# KiCad board mono_v2.kicad_pcb (continued)
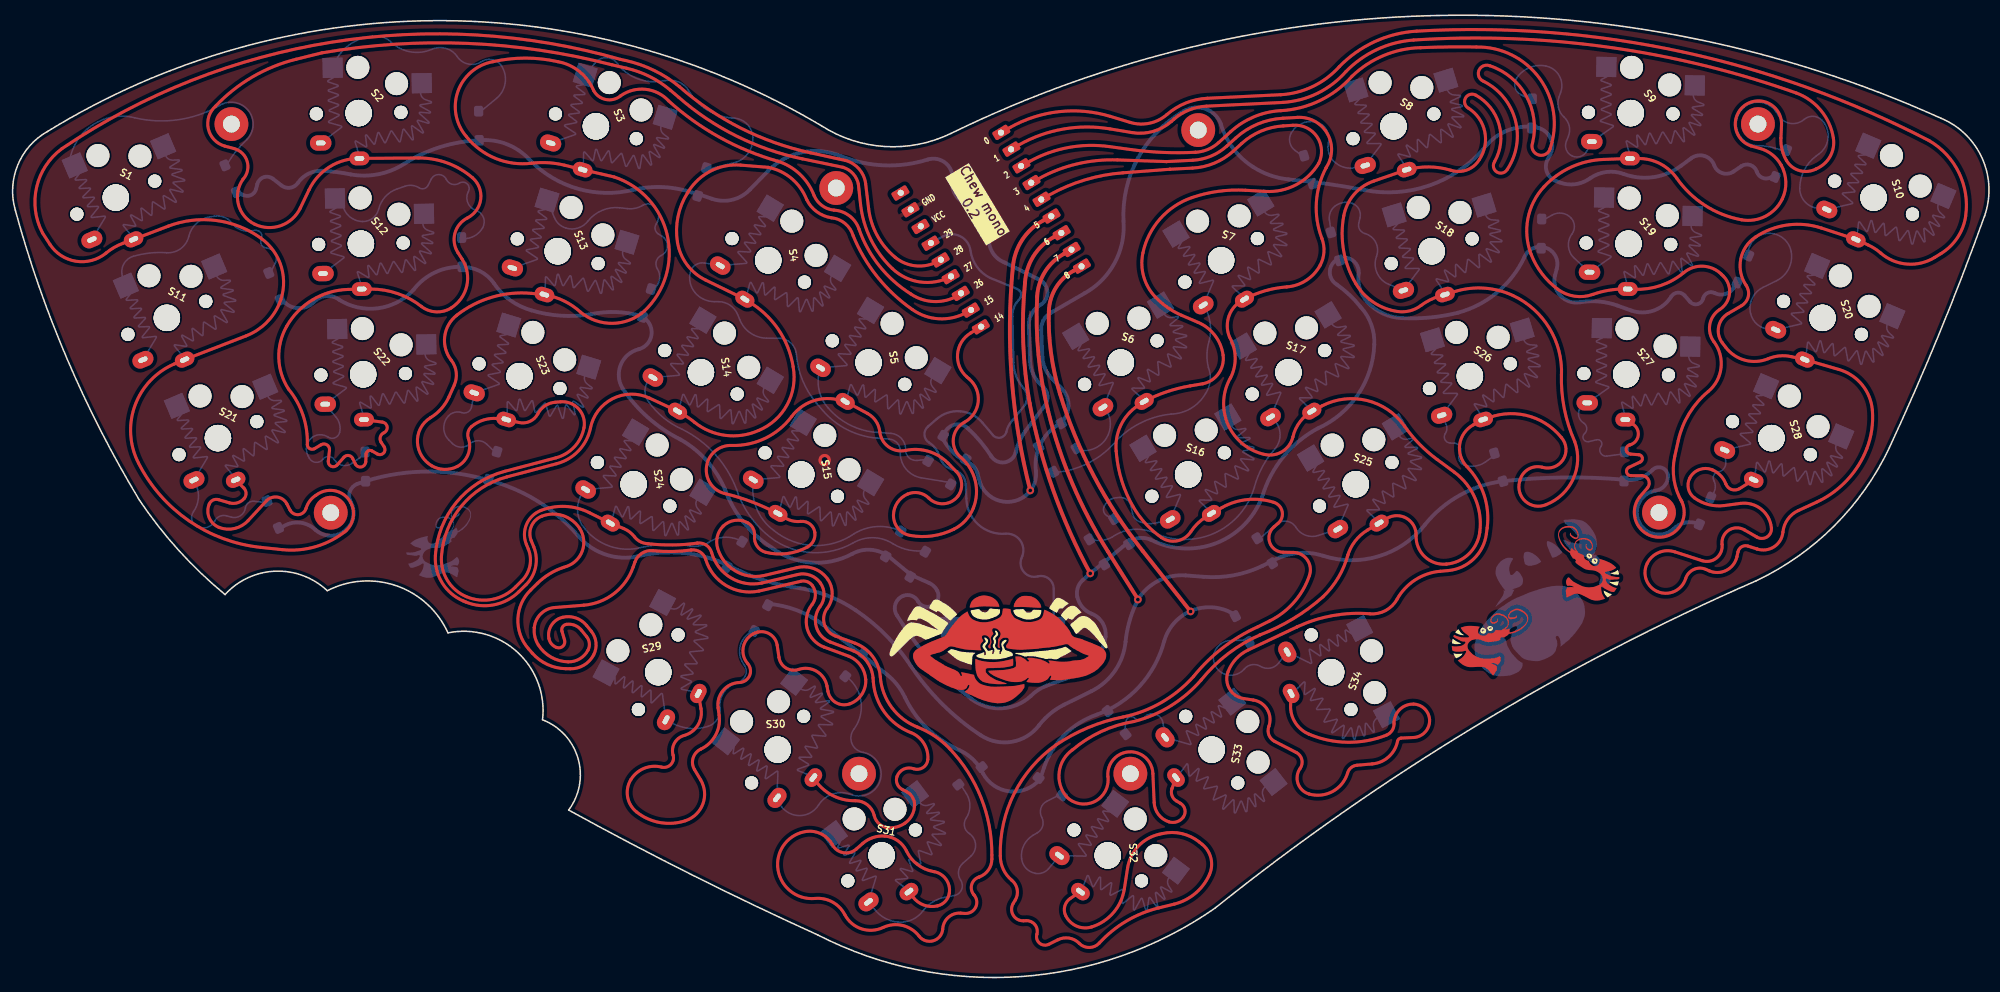
[diagram p0: board, top side]
## Routing (per net, layer and track width the routed paths; a pad name or vN(x,y) marks a point on that pad's centre or on a via; arc(x,y) is an arc through that point) (continued)
Col 5: length 285.8
  Top w0.4: U1.5 134.87,101.85 arc(139.5,103.81) 144.43,104.73 150.55,105.19 arc(150.55,105.19) 150.56,105.19 153.48,105.34 arc(156.33,105.98) 158.79,107.55 159.9,108.56 arc(162.39,110.15) 165.27,110.83 166.56,110.91 arc(169.69,109.42) 169.91,105.96 arc(166.96,103.17) 162.99,102.3 160.38,102.45 arc(156.86,102.32) 153.43,101.51 arc(149.28,98.74) 147.04,94.29 arc(147.14,91.22) 148.67,88.55 arc(150.26,87.19) 152.09,86.18 154.24,85.25 arc(156.42,83.55) 157.47,80.99 arc(156.89,78.62) 154.85,77.27 153.19,76.99 arc(150.12,76.22) S6.1 146.39,74.43 arc(144.16,71.86) 143.56,68.51 143.6,68.08 arc(144.32,64.56) 145.77,61.27 arc(147.39,59.07) 149.44,57.27 arc(151.51,56.83) 153.27,58.01 arc(154.14,59.08) 155.23,59.94 S16.1 157.33,61.16 arc(160.64,62.2) 164.08,61.84 arc(165.16,60.63) 164.63,59.11 164.09,58.65 arc(163.54,56.59) 165.27,55.34 166.61,55.32 arc(168.41,54.36) 168.71,52.35 arc(166.72,48.87) 163.55,46.42 161.99,45.64 arc(157.43,42.91) 153.64,39.19 arc(149.49,35.81) 144.49,33.91 arc(139.89,32.51) 135.66,30.21 ; S32.1 137.59,10.28 arc(136.88,9.29) 136.98,8.07 arc(138.41,6.69) 140.39,6.58 arc(143.21,8.45) 144.62,11.52 145.05,14.28 arc(146.44,17.08) 149.15,18.64 149.56,18.73 arc(152.1,18.73) 154.38,17.62 154.73,17.34 arc(155.89,15.53) 155.69,13.39 arc(153.84,10.93) 151.09,9.54 149.09,9.05 arc(144.89,7.34) 141.37,4.48 arc(140.07,3.9) 138.76,4.44 arc(137.44,5.13) 135.97,4.91 134.8,4.32 arc(133.6,4.46) 133.24,5.62 arc(133,6.87) 131.84,7.39 131.52,7.38 arc(130.16,8.11) 130.18,9.66 130.42,10.05 arc(130.69,11.43) 129.99,12.65 arc(128.88,14.07) 128.49,15.83 arc(130.3,23.96) 135.74,30.27
Col 6: length 245.5
  Top w0.4: U1.4 133.53,103.99 arc(138.45,105.88) 143.7,106.4 150.07,106.19 arc(150.09,106.19) 150.11,106.19 153.53,106.36 arc(155.9,106.9) 157.95,108.2 159.1,109.25 arc(161.96,111.07) 165.26,111.83 167.17,111.94 ; S7.1 160.27,88.29 arc(162.92,89.37) 165.74,89.87 arc(168.28,90.72) 170.09,92.69 arc(170.59,94.41) 170.32,96.19 arc(169.6,100.85) 170.87,105.38 170.91,105.46 arc(171,109.88) 167.09,111.94 ; S17.1 170.35,74.4 arc(176.2,75.09) 181.07,71.76 arc(183.02,69.41) 185.31,67.41 187.54,65.78 arc(190.28,62.31) 190.86,57.92 arc(189.42,55.1) 186.53,53.8 186.5,53.8 arc(183.7,54.77) 182.58,57.51 arc(181.34,59.76) 178.77,59.74 S25.1 176.27,58.24 arc(174.62,56.76) 173.64,54.78 ; S33.1 150.82,24.59 arc(150.82,23.68) 151.41,22.97 151.92,22.67 arc(152.5,21.86) 152.3,20.88 arc(151.46,20.26) 150.42,20.26 arc(149.07,21.21) 148.5,22.76 148.34,26.54 arc(145.2,29.37) 142.49,26.14 arc(140.73,22.88) 137.09,23.54 arc(136.15,26.76) 137.89,29.64 ; 137.86,29.61 arc(141.61,32.01) 145.86,33.31 arc(150.65,35.34) 154.61,38.71 arc(158.11,42.13) 162.34,44.61 ; 158.44,78.06 arc(158.13,71.93) 162.9,68.07 arc(165.19,68.46) 166.55,70.34 arc(167.53,72.4) 169.31,73.85 ; 158.41,77.99 arc(159.04,80.68) 158.31,83.34 arc(158.26,86.16) 160.16,88.24 ; 162.21,44.56 arc(166.56,46.68) 170.46,49.54 arc(172.46,52.05) 173.71,55.01
Col 7: length 378.2
  Top w0.4: S34.1 166.25,35.44 arc(166.85,33.19) 168.62,31.68 arc(173.65,30.61) 178.71,31.53 arc(179.45,32.13) 179.71,33.04 arc(180.43,34.85) 182.23,35.58 arc(183.69,34.97) 184.33,33.54 arc(183.76,31.95) 182.24,31.23 180.63,31.16 arc(180.33,31.03) 180.16,30.75 arc(179.02,28.72) 176.88,27.8 174.88,27.62 arc(174.12,27.31) 173.67,26.63 arc(171.73,24.21) 168.65,23.88 arc(167.21,25.25) 167.49,27.21 arc(167.71,28.36) 166.99,29.28 164.18,30.72 arc(163.43,31.56) 163.42,32.68 arc(163.22,34.88) 161.39,36.11 160.15,36.3 arc(158.3,37.56) 158.12,39.8 arc(159.16,41.47) 160.74,42.62 167.06,45.61 167.14,45.65 arc(171.75,47.1) 176.58,47.33 arc(178.61,47.75) 180.09,49.2 arc(182.45,51.74) 185.73,52.87 186.72,52.95 arc(190.06,54.46) 191.72,57.73 191.82,58.51 arc(191.42,62.8) 189.19,66.49 arc(188.25,69.4) 190,71.91 S26.1 191.03,72.54 ; U1.3 132.36,106.25 arc(137.35,108.02) 142.64,108.14 145.43,107.76 arc(149.63,107.38) 153.85,107.4 153.86,107.4 arc(155.49,107.77) 156.9,108.66 158.46,110.09 arc(161.51,112.02) 165.03,112.82 ; 191.51,72.71 191.51,72.71 ; S8.1 177.06,103.65 arc(174.5,101.9) 173.17,99.11 arc(173.15,94.59) 174.71,90.34 arc(177.03,87.88) 180.18,86.68 arc(181.78,86.77) 183.22,87.46 arc(184.37,88.18) 185.63,88.67 S18.1 187.64,89.28 arc(191.46,89.71) 195.18,88.75 arc(199.91,84.51) 201.49,78.35 ; 181.38,105.12 arc(184.25,105.49) 187.11,105.06 arc(189.21,105.11) 190.82,106.47 arc(191.51,110.09) 189.42,113.12 arc(188.99,114.45) 190.34,114.84 arc(193.37,111.02) 192.79,106.18 arc(193.09,104.82) 194.44,105.17 arc(195.48,111.59) 191.37,116.63 arc(190.75,118.04) 192.17,118.66 arc(196.91,114.72) 197.73,108.61 arc(198.49,107.06) 200.01,107.88 arc(198.66,116.99) 190.42,121.1 arc(186.75,121.11) 183.09,121.01 ; 164.96,112.81 arc(170.05,114.12) 174.24,117.29 arc(178.37,120) 183.21,121.01 ; 191.41,72.59 arc(196.85,73.17) 201.49,70.26 arc(201.69,67.38) 198.96,66.41 arc(197.13,66.12) 196.06,64.61 arc(196.79,61.98) 199.49,61.54 arc(203.02,64.89) 203.21,69.76 arc(201.85,74.04) 201.49,78.51
Col 8: length 289.7
  Top w0.4: 165.27,113.89 155.32,113.4 arc(153.04,112.9) 151.05,111.68 150.73,111.4 arc(148.35,110.11) 145.64,109.96 142.74,110.44 arc(136.67,110.42) 130.96,108.38 U1.2 ; S27.1 210.78,72.01 arc(211.48,70.57) 210.45,69.34 210.32,69.3 arc(209.9,68.65) 210.46,68.12 211.56,68.03 arc(212.01,67.63) 211.73,67.09 210.27,66.4 arc(209.96,65.76) 210.51,65.31 211.94,65.31 arc(212.81,64.75) 212.67,63.72 211.64,62.51 arc(214.03,57.3) 216.99,62.21 ; 234.62,105.23 arc(232.47,105.01) 230.76,106.33 arc(230.18,107.74) 230.04,109.25 230.11,110.86 arc(225.46,113.59) 226.11,108.24 227.31,107.9 arc(228.9,107.09) 230.07,105.73 arc(230.68,103.54) 230.21,101.32 arc(228.01,99.07) 224.9,98.61 arc(220.16,100.48) 216.49,104.02 arc(214.36,105.89) 211.6,106.59 S9.1 206.94,106.46 arc(202.72,105.45) 199.21,102.91 arc(197.12,98.76) 197.54,94.13 arc(198.94,91.61) 200.98,89.59 arc(203.19,88.67) 205.56,88.9 arc(207.59,89.43) 209.69,89.6 S19.1 211.04,89.57 arc(214.42,90.06) 217.4,91.73 arc(219.88,92.57) 222.29,91.53 222.53,91.3 arc(223.35,89.01) 222.08,86.94 arc(220.79,85) 221.33,82.73 arc(222.25,79.35) 220.58,76.26 arc(218.1,73.39) 216.68,69.88 216.22,67.8 arc(216.14,64.76) 217.16,61.89 ; 234.61,105.24 arc(236.43,106.85) 236.86,109.24 arc(235.25,112.83) 232.04,115.11 arc(207.49,121.09) 182.25,122.01 arc(177.46,120.76) 173.44,117.89 arc(169.72,115.06) 165.19,113.89
Col 9: length 303.5
  Top w0.4: U1.1 129.75,110.62 arc(136.13,112.68) 142.81,112.07 145.38,111.29 arc(147.91,111.18) 150.17,112.31 arc(152.61,113.81) 155.42,114.43 165.02,114.89 ; S28.1 224.66,63.63 arc(223.62,63.51) 222.87,64.24 arc(222.18,65.34) 221.11,66.07 arc(219.43,66.1) 218.17,64.98 arc(218.01,63.59) 218.79,62.42 arc(220.64,61.54) 222.69,61.42 224.78,61.7 arc(227.46,60.96) 228.8,58.51 arc(228.23,57.34) 226.93,57.31 225.27,58.26 arc(223.24,58.2) 222.38,56.36 arc(221.67,54.6) 219.79,54.24 216.22,55.4 arc(214.15,55.31) 212.64,53.9 arc(212.51,51.79) 213.95,50.24 arc(216.17,50.24) 217.64,51.91 arc(218.69,53.1) 220.28,53.11 220.7,52.93 arc(222.95,52.99) 224.31,54.77 224.45,55.39 arc(224.94,56.06) 225.76,56.14 226.96,55.76 arc(229.15,56.06) 230.29,57.95 arc(230.92,59.63) 232.3,60.77 234.66,61.85 arc(238.62,64.71) 241.22,68.84 arc(241.85,71.28) 241.94,73.79 arc(240.6,77.14) 237.6,79.13 S20.1 231.37,80.8 arc(229.86,80.9) 228.39,80.53 arc(225.36,80.33) 222.84,82.03 222.41,82.6 arc(221.93,84.68) 223.17,86.42 224.92,87.43 arc(225.79,88.63) 225.51,90.08 arc(224.81,93.48) 226.73,96.36 arc(230.89,97.94) 235.32,97.53 S10.1 241.36,95.35 arc(242.22,94.88) 243.01,94.29 arc(246.43,92.85) 250.04,93.71 250.88,94.23 arc(253.01,96.3) 254.07,99.09 arc(253.2,104.73) 249.31,108.92 arc(216.93,120.53) 182.64,123.16 arc(177.18,121.79) 172.59,118.54 arc(169.12,115.95) 164.94,114.89
Row 0: length 400.7
  Top w0.5: U1.6 134.12,98.54 arc(131.33,96) 130.12,92.43 ; 132.37,63.34 arc(129.99,77.78) v1(132.39,63.39) arc(129.99,77.78) 130.12,92.41
  Bottom w0.5: D4.1 123.83,67.24 arc(122.24,68.44) 121.05,70.04 ; D10.1 228.64,104.09 arc(227.59,104.09) 226.89,104.88 arc(226.06,105.74) 224.88,105.58 223.87,104.89 arc(222.41,104.68) 221.36,105.71 arc(220.09,106.92) 218.36,106.62 217.05,105.64 arc(213.45,104.16) 209.58,104.58 arc(207.31,104.83) 205.18,103.99 arc(203.26,103.24) 201.22,103.48 200.75,103.66 arc(199.59,104.83) 199.69,106.47 199.98,107.02 arc(200.1,109.16) 198.49,110.57 197.63,110.81 arc(197.63,110.81) 197.63,110.81 ; 121.05,70.51 121.31,70.99 arc(122.64,71.96) 124.23,71.5 124.29,71.44 arc(125.92,69.74) 127.31,67.83 127.31,67.83 arc(129.08,67.05) 130.49,68.37 arc(130.97,69.78) 131.71,71.07 134.25,74.41 arc(134.62,75.75) 133.96,76.98 arc(132.82,78.42) 132.37,80.21 132.2,84.88 arc(132.57,86.4) 133.67,87.5 arc(134.62,89.18) 133.58,90.8 129.06,93.05 arc(127.44,94.41) 127.04,96.49 arc(126.46,99.07) 124.32,100.62 arc(122.69,101.79) 122.24,103.75 arc(121.39,105.98) 119.05,106.45 arc(113.32,105.7) 107.68,106.93 arc(102.68,107.39) 98.28,104.98 95.95,102.58 arc(93.65,101.22) 90.99,101.34 D3.1 ; 136.59,71.93 136.56,71.92 arc(136.55,71.91) 136.54,71.91 ; D1.1 29.9,101.89 arc(30.97,101.81) 31.67,102.61 31.84,103.27 arc(32.66,104.15) 33.86,103.95 34.98,103.08 arc(36.12,102.78) 37.11,103.41 arc(38.55,104.65) 40.42,104.98 ; 89.21,101.95 arc(89.19,101.96) 89.18,101.97 ; 144.52,98.37 arc(146.39,106.63) 152.3,112.71 arc(155.17,113.05) 157.21,111 ; 124.28,67.04 arc(125.06,66.48) 125.51,65.64 125.89,64.29 arc(128.91,61.93) 132.45,63.4 arc(133.03,64.59) 133.12,65.92 arc(133.85,69.69) 136.68,72.3 ; 135.78,71.79 arc(137.34,74.03) 136.5,76.63 135.2,77.96 arc(134.32,79.26) 133.96,80.79 133.8,84.27 arc(134.1,85.54) 135.01,86.48 139.46,89.06 arc(143.36,93) 144.51,98.44 ; 89.49,101.74 arc(85.19,102.83) 80.76,102.51 arc(73.53,102.65) 67.31,106.36 arc(64.35,108.43) 60.79,108.96 arc(55.7,108.1) 51.01,105.94 arc(47.65,104.56) 44.01,104.51 arc(42.11,104.83) 40.19,104.99 ; 157.17,111.09 arc(158.77,107.91) 161.37,105.49 arc(163.6,104.4) 166.02,103.86 ; 198.01,110.69 arc(194.3,110.17) 191.37,107.86 arc(184.32,103.09) 175.84,102.48 arc(170.91,103.3) 165.95,103.87
Row 1: length 382.2
  Top w0.5: U1.7 135.48,96.39 arc(132.81,93.89) 131.7,90.41 ; 140.14,52.64 arc(135.38,63.39) v1(140.19,52.59) arc(135.38,63.39) 132.3,74.73 ; 132.32,74.63 arc(131.47,82.53) 131.71,90.47
  Bottom w0.5: D14.1 119.22,51.35 arc(119.84,50.94) 120.29,50.33 arc(120.33,49.13) 119.45,48.31 arc(118.49,48.33) 117.78,48.97 arc(116.96,49.67) 115.89,49.68 arc(114.85,48.61) 115.04,47.14 115.83,45.9 arc(119.85,40.72) 124.68,36.28 arc(128.65,35.03) 132.47,36.65 arc(133.41,37.42) 134.5,37.97 138.23,39.34 arc(140.91,41.29) 142.18,44.35 arc(141.79,46.15) 140.38,47.34 arc(139.16,48.21) 138.5,49.56 arc(138.57,50.73) 139.21,51.71 v1(140.19,52.59) ; D20.1 223.91,89.79 arc(222.8,88.94) 221.41,89.08 arc(220.49,89.1) 219.92,88.37 arc(219.21,87.63) 218.22,87.94 217.5,88.76 arc(216.6,89.13) 215.78,88.63 arc(213.48,86.8) 210.53,86.81 208.8,87.44 arc(206.38,87.97) 203.9,87.88 arc(201.33,88.76) 200.66,91.39 200.86,92.19 arc(199.47,94.97) 196.64,93.69 ; D11.1 35.5,87.76 arc(37.39,87.11) 39.21,87.94 arc(40.8,88.69) 42.48,88.21 ; D16.1 D17.1 arc(141.91,53.98) 141.91,53.98 140.37,52.73 ; 144.81,56.41 arc(146.34,57.16) 148.04,56.99 arc(156.67,56.57) 162.64,62.81 arc(165.38,67.86) 169.84,71.49 ; 172.59,93.58 arc(172.54,93.57) 172.49,93.55 ; 58.35,92.47 arc(60.74,91.96) 62.6,90.37 ; 196.69,93.79 arc(193.15,89.19) 188.01,86.51 arc(184.41,85.9) 180.76,85.81 arc(178.29,86.4) 176.24,87.91 arc(175.26,89.65) 175.11,91.64 arc(172.38,93.48) 172.26,90.18 arc(173.91,88.83) 175.36,87.26 arc(176.74,84.99) 177.14,82.36 arc(175.02,75.86) 169.79,71.46 ; 116.93,52.35 arc(116.91,52.37) 116.89,52.39 113.72,55 arc(113.71,55.01) 113.69,55.02 ; 62.61,90.35 arc(64.75,88.14) 67.52,86.82 arc(71.33,86.13) 75.21,86.32 arc(78.49,86.61) 81.75,86.1 ; 113.89,54.84 arc(111.58,55.67) 109.2,55.12 arc(103.83,54.01) 98.71,55.98 arc(95.05,59.28) 92.65,63.58 arc(90.3,67.26) 86.9,70.01 arc(82.7,72.84) 79.36,76.66 arc(79.11,79.74) 81.46,81.77 arc(83.14,84.03) 81.33,86.19 ; 145.08,56.61 arc(145.1,56.62) 145.11,56.63 ; 172.66,93.43 arc(172.66,93.46) 172.7,93.46 ; 58.39,92.49 arc(54.92,91.75) 52.16,89.51 arc(47.53,87.1) 42.44,88.24
Row 2: length 282.9
  Top w0.5: U1.8 136.75,94.17 arc(134.3,91.84) 133.28,88.61 arc(133.45,81.09) 134.72,73.68 134.72,73.68 arc(137.87,64.25) 142.48,55.44 146.49,49.09
  Bottom w0.5: D25.1 162.6,53.57 arc(158.88,52.35) 154.97,52.15 152.59,52.33 arc(149.05,51.62) v1(146.39,49.19) 146.1,48.57 arc(145.24,46.18) 144.78,43.69 arc(143.39,39.9) 140.33,37.26 136.79,35.51 arc(135,34.34) 133.51,32.8 arc(129.99,30.67) 125.96,31.51 arc(120.91,35.61) 116.79,40.64 arc(113.58,44.58) 109.66,47.81 arc(106.18,49.63) 102.39,50.67 101.3,50.84 arc(97.06,51.9) D24.1 ; 34.48,58.74 D21.1 ; 43.99,61.89 arc(43.88,63.26) 44.84,64.24 arc(53.35,65.83) 61.94,64.71 arc(68.32,61.98) 73.59,57.46 arc(77.11,55.06) 81.36,54.81 arc(87.37,55.24) 93.16,53.59 ; 163.54,53.99 arc(166.9,55.2) 170.46,54.89 arc(177.73,54.83) 183.74,58.94 arc(188.24,62.75) 193.84,64.59 arc(201.85,65.08) 209.86,64.76 ; 219.38,59.01 arc(217.62,59.2) 216.07,58.36 arc(211.56,59.3) 213.73,63.36 arc(214.93,64.03) 215.34,65.35 arc(214.57,66.34) 213.35,66.08 arc(211.66,64.98) 209.66,64.76 ; 43.96,61.95 arc(43.25,58.15) 39.39,58.27 arc(37.07,59.22) 34.72,58.34
Row 3: length 134.2
  Top w0.5: U1.9 138.02,91.98 arc(135.71,89.77) 134.81,86.72 arc(135.08,81.3) 136.24,76 arc(140.67,65.25) 147.01,55.52 v1(153.24,47.64) 153.24,47.69
  Bottom w0.5: D29.1 98.29,48.52 ; 98.19,48.64 arc(102,47.8) 105.41,45.91 D30.1 113.7,39.46 arc(115.06,38.1) 116.08,36.46 arc(118.99,32.41) 123.12,29.6 arc(124.66,28.63) 125.85,27.26 arc(125.86,27.24) 125.87,27.22 126.24,26.56 arc(129.71,24.22) 133.6,25.75 arc(133.66,25.83) 133.7,25.91 134.17,27.29 arc(136.81,31.56) 141.06,34.21 arc(146.62,37.92) 149.81,43.79 arc(153.55,47.81) 159.01,47.19
Net-(D1-A): length 36.8
  Bottom w0.2: 30.48,109.05 29.78,108.34 arc(28.64,106.99) D1.2 ; 30.44,109.01 arc(30.68,112.83) 26.91,113.48 arc(21.55,111.63) 15.89,111.89 arc(9.97,110.64) 7.35,105.2
Net-(D2-A): length 33.3
  Bottom w0.2: D2.2 62.94,114.41 arc(64.07,116.37) 63.64,118.59 arc(62.44,119.44) 60.98,119.19 arc(59.28,118.88) 57.85,119.84 arc(56.37,120.92) 54.55,120.8 arc(51.76,120.47) 49.24,121.73 arc(48.1,122.41) 46.77,122.5 46.37,122.44 arc(43.43,121.08) S2.2
Net-(D3-A): length 35.2
  Bottom w0.2: D3.2 93.84,106.03 arc(95.66,107.25) 96.3,109.34 arc(95.56,111.06) 93.86,111.85 93.53,111.87 arc(90.33,112.92) 88,115.35 arc(86.81,116.48) 85.21,116.76 84.03,116.63 arc(81.03,117.07) 78.67,118.97 arc(77.24,119.71) 75.78,119.03 S3.2
Net-(D4-A): length 53.3
  Bottom w0.2: D4.2 118.22,65.03 arc(116.2,66.2) 115.48,68.43 arc(115.1,69.54) 114.06,70.07 112.47,70.2 arc(108.56,71.3) 105.38,73.81 104.58,74.75 arc(102.77,77.72) 101.96,81.1 arc(101.26,82.57) 99.74,83.18 98.1,83.2 arc(96,83.87) 94.61,85.58 94.32,86.28 arc(93.33,87.5) 91.82,87.96 91.29,87.96 arc(89.88,88.28) 88.74,89.17 arc(88.15,90.39) 88.15,91.75 arc(88.83,92.73) 89.99,92.99 S4.2
Net-(D5-A): length 21.7
  Bottom w0.2: D5.2 117.66,67.29 arc(116.59,67.66) 116.16,68.71 arc(115.64,70.14) 114.26,70.81 112.45,70.94 arc(108.98,71.88) 106.14,74.07 106.06,74.17 arc(104.87,76.63) S5.2
Net-(D6-A): length 8.7
  Bottom w0.2: 142.06,74.15 arc(142.21,70.07) 138.36,68.73
Net-(D7-A): length 34.6
  Bottom w0.2: 135.68,65.74 arc(139.76,66.86) 143.17,69.39 arc(146.56,72.08) 150.72,73.33 arc(153.29,74.07) 155.18,75.98 arc(155.79,77.64) 155.56,79.39 arc(155.37,81.07) 155.63,82.74 arc(155.78,85.22) 154.92,87.56
Net-(D8-A): length 18.3
  Bottom w0.2: S8.2 174.73,105.41 arc(173.35,105.41) 172.1,106.02 arc(171.26,107.22) 171.18,108.69 171.18,108.72 arc(170.9,110.38) 169.51,111.34 arc(167.7,111.15) 166.35,109.93 arc(166.15,108.7) 166.82,107.64 D8.2
Net-(D9-A): length 25.8
  Bottom w0.2: D9.2 196.18,114.91 arc(195.45,115.84) 195.64,117.01 arc(197.29,118.4) 199.43,118.63 arc(201.2,117.36) 201.38,115.18 201.17,114.61 arc(201.1,113.2) 201.82,111.98 arc(202.5,110.82) 202.39,109.48 202.13,108.83 arc(202.12,107.73) 202.87,106.92 arc(203.96,106.85) 204.79,107.56 S9.2
Net-(D10-A): length 37.7
  Bottom w0.2: D10.2 229.85,107.75 arc(228.55,108.11) 227.21,108.26 arc(224.54,112.36) 229.43,112.65 229.71,112.19 arc(231.26,111.16) 233.05,111.67 arc(234.39,112.07) 235.58,111.33 235.69,111.16 arc(236.14,109.05) 235.01,107.2 234.62,106.91 arc(233.06,105.07) 232.49,102.72 arc(233.12,101) 234.73,100.13 S10.2
Net-(D11-A): length 31
  Bottom w0.2: D11.2 34.19,93.05 arc(34.14,94.29) 33.07,94.93 arc(32.4,95.32) 32.36,96.1 arc(32.28,96.92) 31.52,97.24 30.82,97.15 arc(29.59,97.32) 28.62,98.1 arc(27.58,98.93) 26.27,99.08 25.67,98.99 arc(23.9,98.13) 22.92,96.44 arc(21.87,94.86) 20.05,94.33 arc(17.86,94.28) 15.71,93.86 arc(14.43,92.8) 14.33,91.14 S11.2
Net-(D12-A): length 31.2
  Bottom w0.2: D12.2 59.22,96.2 arc(60.33,96.67) 61.14,97.55 arc(61.25,98.9) 60.27,99.84 arc(59.21,100.84) 59.3,102.29 arc(59.13,103.29) 58.12,103.38 arc(57.16,103.24) 56.42,103.86 56.42,103.88 arc(55.44,104.5) 54.46,103.9 54.05,103.09 arc(53.54,102.67) 52.89,102.77 arc(52,103.09) 51.06,102.99 50.02,102.63 arc(48.48,101.62) 47.62,100 arc(46.84,98.81) 45.49,98.39 arc(43.83,99.03) 42.94,100.57
Net-(D13-A): length 30.2
  Bottom w0.2: D13.2 83.16,89.46 arc(84.12,90.69) 83.88,92.23 arc(83.74,93.22) 84.38,93.97 arc(85.18,95.16) 84.53,96.43 84,96.77 arc(83.59,97.36) 83.73,98.07 arc(84.01,99.31) 83.37,100.42 arc(82.71,100.67) 82.02,100.51 81.94,100.47 arc(81,100.11) 80,100.06 78.97,100.18 arc(76.67,99.83) 74.83,98.42 arc(73.54,97.53) 71.97,97.53 arc(71.09,98.04) 70.5,98.87 S13.2
Net-(D14-A): length 49.3
  Bottom w0.2: 118.86,55.58 arc(116.63,55.63) 114.56,56.43 arc(111.93,57.24) 109.28,56.52 arc(104.21,55.29) 99.23,56.82 arc(96.14,59.76) 94.18,63.54 arc(91.38,68.11) 87.11,71.35 arc(84.69,72.83) 82.76,74.91 arc(82.29,76.63) 83.2,78.16
Net-(D15-A): length 25.2
  Bottom w0.2: 96.41,64.79 arc(96.76,61.1) 99.04,58.17 arc(104.19,56.22) 109.48,57.76 arc(112.53,58.69) 115.66,58.04
Net-(D16-A): length 13.6
  Bottom w0.2: D16.2 142.33,60.12 arc(141.96,60.59) 141.96,61.19 arc(142.58,62.05) 143.57,62.44 143.96,62.47 arc(144.96,62.18) 145.51,61.3 145.67,60.43 arc(146.01,59.74) 146.64,59.3 arc(147.79,59.07) 148.95,59.2 S16.2
Net-(D17-A): length 35.8
  Bottom w0.2: 139.81,57.16 arc(141.44,56.87) 143.04,57.31 arc(145.7,58.31) 148.51,57.86 arc(156.39,57.85) 161.54,63.81 arc(162.58,66.46) 164.21,68.79 arc(164.87,70.98) 163.69,72.94
Net-(D18-A): length 21.3
  Bottom w0.2: S18.2 179.03,90.21 arc(177.49,91.71) 177.43,93.86 arc(177.33,95.67) 175.92,96.82 arc(175.25,97.34) 175.12,98.18 175.29,98.88 arc(175.14,99.99) 174.3,100.73 arc(173.1,100.85) 171.99,100.36 arc(171.41,99.56) 171.3,98.58 D18.2
Net-(D19-A): length 12.7
  Bottom w0.2: D19.2 200.27,99.23 arc(201.54,99.47) 202.7,98.89 arc(203.17,97.85) 202.85,96.76 arc(202.39,95.14) 203.14,93.63 S19.2
Net-(D20-A): length 23.6
  Bottom w0.2: S20.2 228.5,84.36 arc(226.96,84.99) 226.09,86.4 arc(226.3,88.39) 227.7,89.81 229.47,90.68 arc(231.06,92.26) 231.37,94.48 arc(230.42,96.14) 228.64,96.85 arc(226.6,96.08) 225.74,94.07 D20.2
Net-(D21-A): length 17.6
  Bottom w0.2: S21.2 23.87,64.14 arc(24.17,62.33) 23.53,60.61 arc(23.32,59.53) 24.02,58.67 arc(25.31,58.58) 26.3,59.42 arc(26.95,60.03) 27.83,60.08 28.44,59.91 arc(29.64,60.09) 30.29,61.11 arc(30.67,61.77) 31.41,61.98 D21.2
Net-(D22-A): length 20
  Bottom w0.2: S22.2 42.09,72.9 arc(42.55,71.96) 42.53,70.91 arc(41.93,70.24) 41.02,70.34 arc(39.93,70.64) 38.88,70.22 arc(38.25,69.14) 38.43,67.9 38.59,67.6 arc(39.44,67.04) 40.36,67.45 arc(41.13,67.81) 41.87,67.38 arc(42.92,66.65) 44.17,66.92 D22.2
Net-(D23-A): length 16.2
  Bottom w0.2: S23.2 59.7,74.26 arc(59.24,73.6) 58.44,73.52 arc(57.5,73.55) 56.7,73.08 arc(56.1,71.5) 56.76,69.94 57.22,69.49 arc(58.34,69.02) 59.47,69.44 arc(60.58,69.86) 61.67,69.41 D23.2
Net-(D24-A): length 27.4
  Bottom w0.2: 95.07,56.62 arc(92.84,57.3) 90.6,56.65 arc(89.41,56.18) 88.13,56.15 arc(84.97,56.37) 81.83,55.97 arc(77.64,56.14) 74.28,58.63 arc(73.49,61.08) 74.47,63.47
Net-(D25-A): length 12.1
  Bottom w0.2: S25.2 169.84,57.52 arc(168.2,57.55) 166.94,58.59 arc(165.75,59.38) 164.38,58.99 D25.2
Net-(D26-A): length 12.9
  Bottom w0.2: S26.2 186.46,72.04 arc(186.59,71.41) 186.38,70.8 arc(186.33,70) 187.01,69.56 187.58,69.53 arc(188.31,69.06) 188.28,68.19 arc(188.19,67.34) 188.78,66.73 arc(190.24,66.56) 191.61,67.1 D26.2
Net-(D27-A): length 13.2
  Bottom w0.2: S27.2 204.51,74.64 arc(203.7,73.45) 204.37,72.17 arc(204.78,71.51) 204.49,70.79 arc(204.36,70.05) 205.04,69.74 206.07,69.98 arc(206.65,69.75) 206.63,69.12 arc(206.59,68.24) 207.38,67.86 D27.2
Net-(D28-A): length 7.5
  Bottom w0.2: D28.2 221.28,63.07 arc(221.5,63.84) 221.34,64.63 221.3,64.71 arc(221.31,65.4) 221.87,65.79 arc(222.62,66.23) 222.86,67.06 S28.2
Net-(D29-A): length 21.7
  Bottom w0.2: D29.2 95.79,44.78 arc(94.6,42.9) 95.14,40.73 arc(95.39,39.46) 94.53,38.47 93.8,38.16 arc(92.41,36.93) 92.03,35.1 arc(91.69,33.62) 90.48,32.69 arc(88.09,32.42) 85.79,33.11 S29.2
Net-(D30-A): length 33
  Bottom w0.2: 108.37,39.24 arc(110.35,36.01) 109.46,32.33 arc(109.18,30.46) 110.67,29.3 arc(112.89,25.75) 109.22,23.76 arc(106.8,23.91) 104.86,22.46 arc(101.88,21.11) 99.51,23.36
Net-(D31-A): length 30.2
  Bottom w0.2: S31.2 112.2,8.79 arc(113.58,7.67) 115.3,7.2 arc(117.05,7.54) 118.44,8.67 arc(119.65,9.8) 121.19,10.41 122.51,10.67 arc(123.45,11.45) 123.33,12.67 arc(123.05,13.81) 123.6,14.85 124.64,15.78 arc(125.27,17.31) 124.44,18.75 arc(123.83,19.65) 124.04,20.72 arc(124.54,22.31) 124.08,23.92 D31.2
Net-(D32-A): length 17.9
  Bottom w0.2: D32.2 134.53,22.93 arc(133.77,22.02) 133.88,20.84 arc(134,19.73) 133.33,18.85 132.75,18.5 arc(131.55,17.2) 131.26,15.46 arc(131.84,14.21) 133.04,13.55 arc(133.99,13.62) 134.77,14.17 S32.2
Net-(D33-A): length 9.5
  Bottom w0.2: D33.2 144.85,33.38 arc(145.3,33.91) 145.98,33.74 arc(146.52,33.51) 147.07,33.72 147.28,33.92 arc(148.73,34.23) 149.67,33.09 S33.2
Net-(D34-A): length 18.1
  Bottom w0.2: S34.2 164.7,40.92 arc(163.6,40.26) 162.34,40.49 arc(161.26,40.71) 160.27,40.19 160.17,40.08 arc(158.84,39.37) 157.35,39.64 arc(156.39,40.72) 156.3,42.16 arc(157.12,43.38) 158.5,43.86 D34.2

## Copper pours and planes (outline as drawn; the poured copper is in the pictures)
GND on Top, Bottom: -4.86,131.34 260.14,131.34 260.14,-8.66 -4.86,-8.66

## Text on the board
B.Silkscreen: Chew mono / 0.2 | github.com/ / flinguenheld/chew | R0 | R1 | C0 | R2 | C1 | R3 | C2 | C3 | C4 | C5 | C6 | C7 | C8 | C9
F.Silkscreen: Chew mono / 0.2
